# Altium PCB SysUprTestUUUp.PcbDoc (part 2 of 4)
Units mm, origin at the board's own origin, x right, y up, seen from the top; angles counter-clockwise.
Board outline 140.1 x 94.7 mm, 4 copper layers (Top Layer, Mid-Layer 1, Mid-Layer 2, Bottom Layer), stack 1.572 mm thick; 296 components, 295 nets, 1339 pads, 437 vias.
Unrouted connection lines stored in the file: 160.
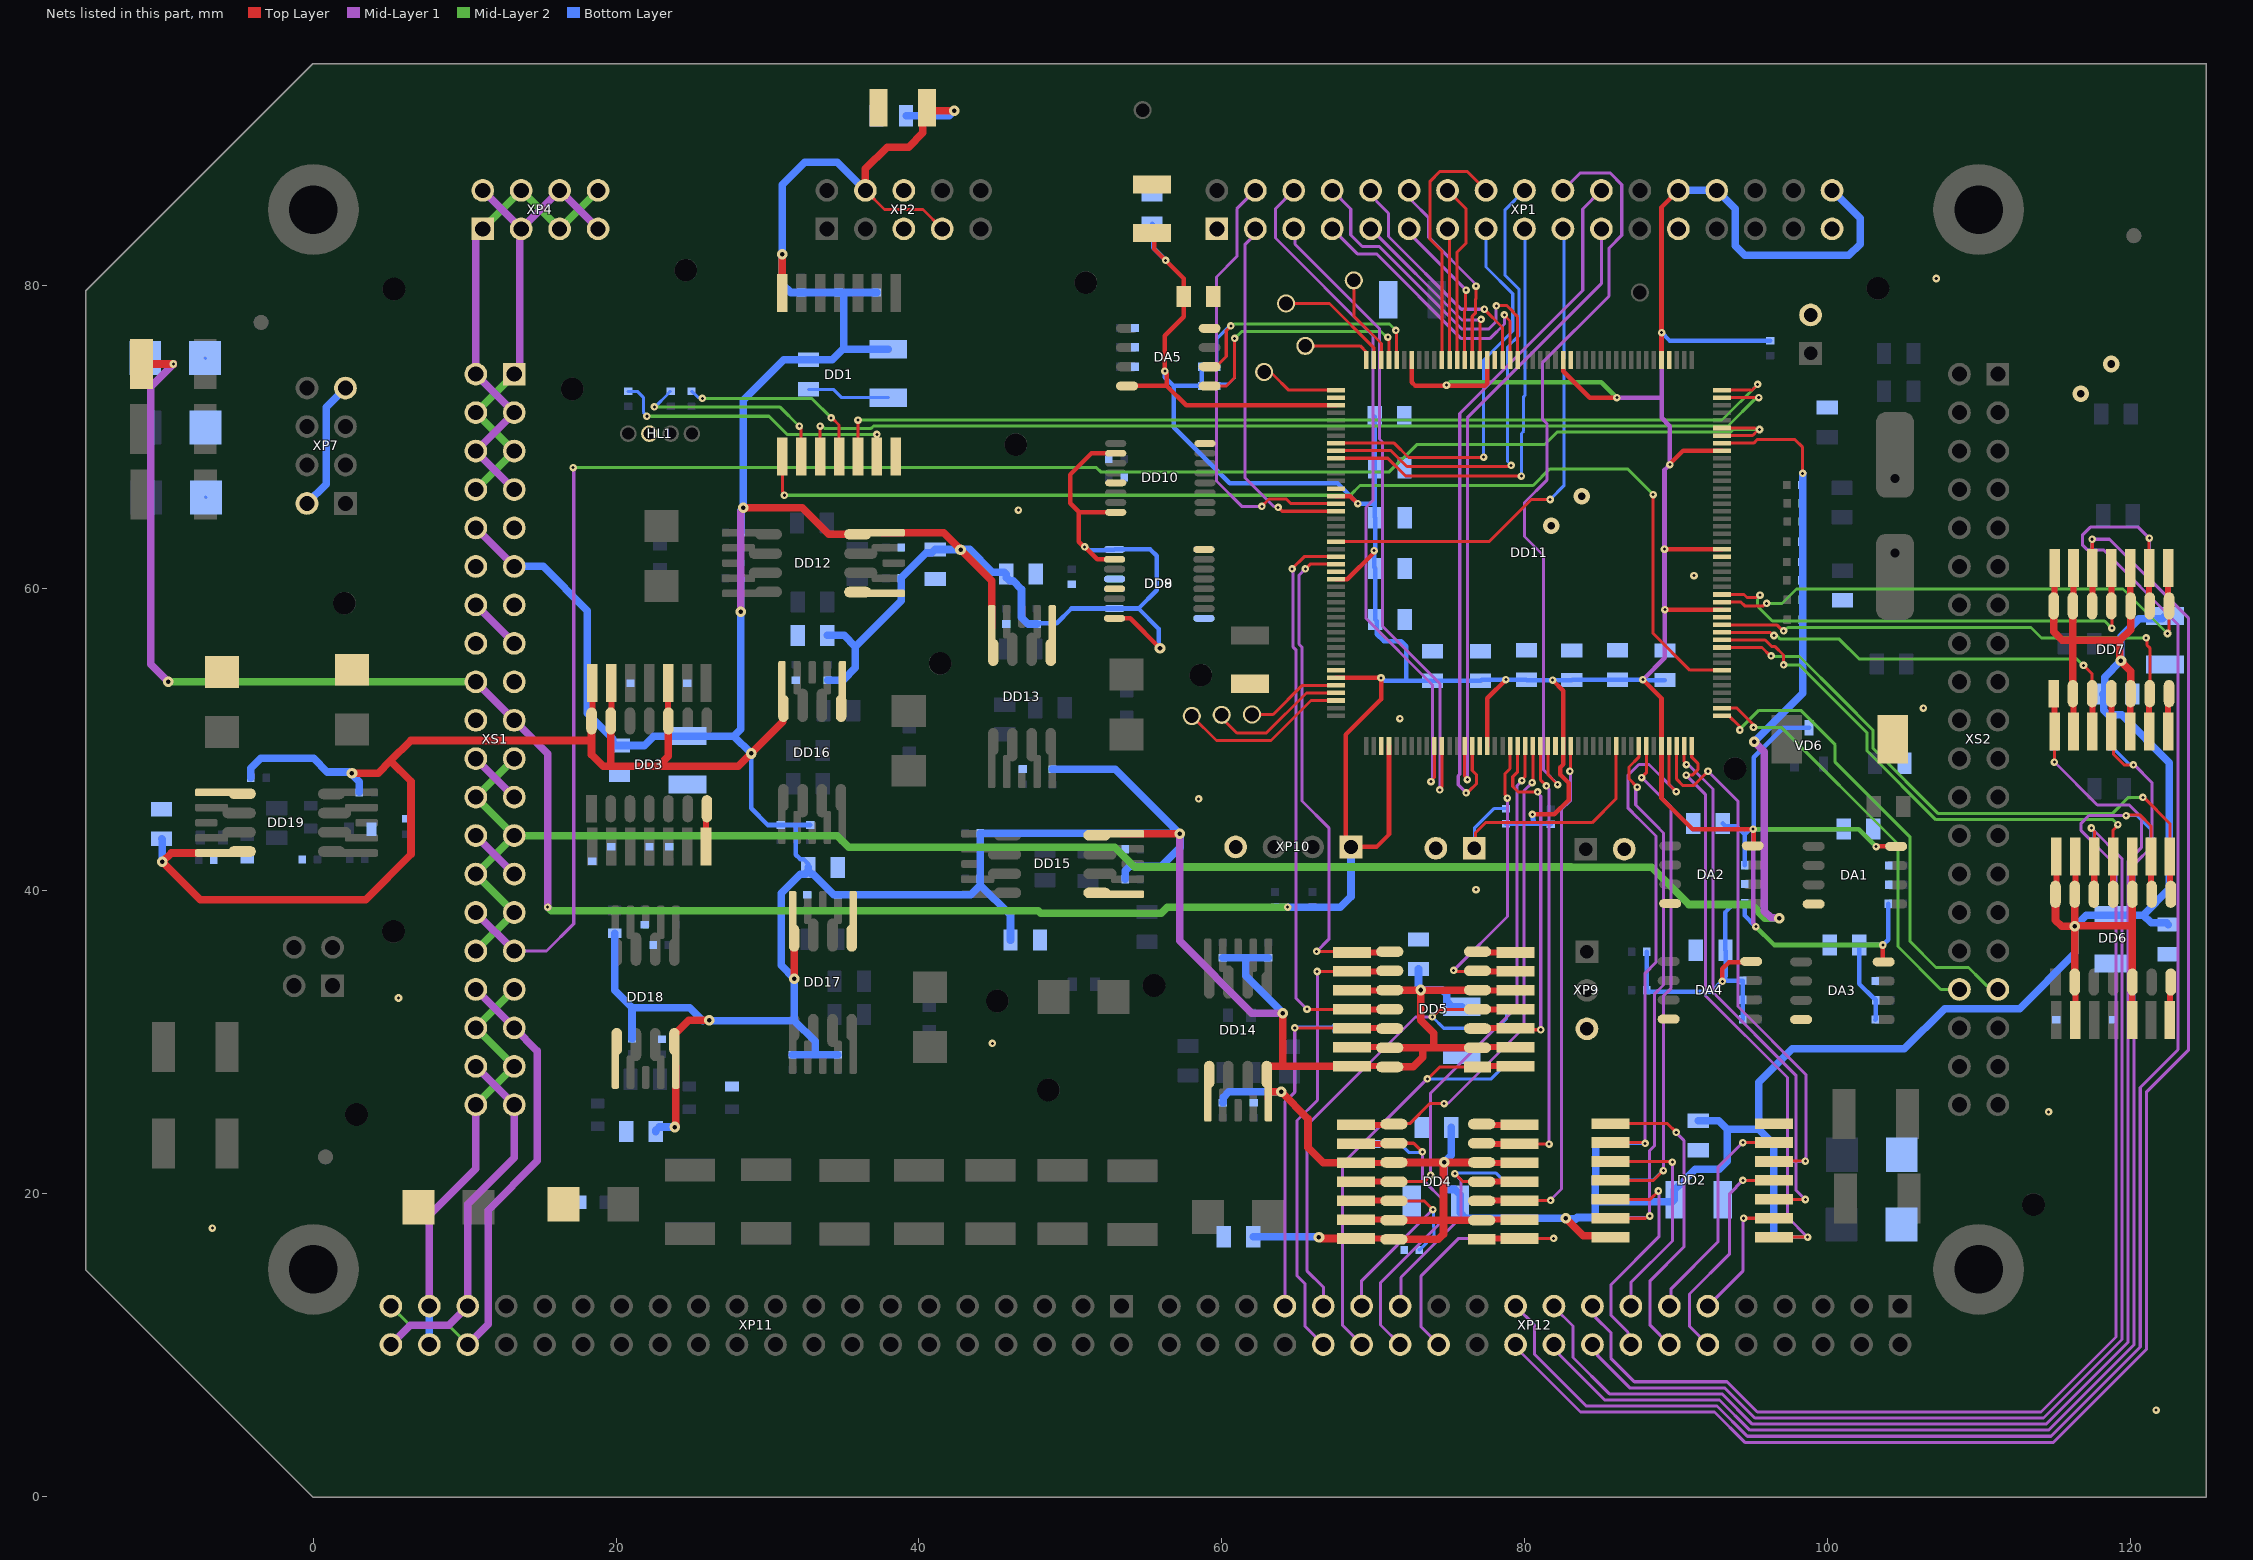
[diagram p4: the nets of this part, all layers, seen from the top]

## Via types
v1: diameter 0.5, hole 0.2, Top Layer to Bottom Layer, tented both sides, 406 vias
v2: diameter 0.7, hole 0.3, Top Layer to Bottom Layer, tented both sides, 27 vias
v3: diameter 1.1, hole 0.5, Top Layer to Bottom Layer, tented both sides, 4 vias

## Nets (pads, with @x,y where several pads share a name; then routed paths per layer and width w, separated by ;. In a path a pad name is that pad's centre, name@x,y a point inside that pad or via, vN(x,y) a via of type N, cw(c..) or ccw(c..) an arc to the next point about the centre after c; other vN are vias at no path point)
+3.3V_A: DD11.38 DD11.39 XS1.30 XS1.31 | length 123.2
  Top Layer w0.2: DD11.38@93.05,70.075 95.071,70.075 v1@95.398,70.402 ; DD11.39@93.05,70.575 95.225,70.575 v1@95.398,70.402 ; v1@95.425,70.375 v1@95.398,70.402 ; v1(95.525,70.475) 95.471,70.475 v1@95.398,70.402
  Mid-Layer 1 w0.2: XS1.31@13.27,36.03 15.405,36.03 17.2,37.825 17.2,67.925 v1(17.163,67.962)
  Mid-Layer 1 w0.5: XS1.30@10.73,38.57 XS1.31@13.27,36.03
  Mid-Layer 2 w0.2: v1(17.163,67.962) 17.175,67.95 51.728,67.95 52.003,67.675 71.075,67.675 72.875,69.475 81.325,69.475 82.15,70.3 93.612,70.3 93.787,70.475 v1(95.525,70.475)
+3.3V_D: C1.2 C2.2 C4.2 C6.1 C7.2 C8.2 C15.2 C30.2 C31.2 C32.2 C39.2 C42.2 C43.2 C48.2 C55.2 C56.2 C57.2 C58.2 DA1.8 DA2.8 DA3.8 DA4.8 DA5.8 DD11.15 DD11.23 DD11.36 DD11.49 DD11.62 DD11.72 DD11.82 DD11.91 DD11.103 DD11.114 DD11.127 DD11.136 DD11.149 DD11.159 DD11.172 FU3.1 R2.2 R3.2 R4.2 R23.2 R24.2 R25.2 R26.2 R27.2 R28.1 R29.1 R49.2 R50.1 R79.1 R143.2 R144.2 R145.2 R146.2 VD5.KA1 VD6.A XP1.26 XP1.28 XP1.34 XP10.1 XS1.18 XS1.19 | length 456.2
  Top Layer w0.3: DA5.8@53.75,73.35 56.375,73.35 ; C4.2@55.4,83.45 55.557,83.293 55.557,82.393 57.5,80.45 C15.2@57.5,79.259 57.5,77.925 56.25,76.675 56.25,74.271 56.375,74.146 56.375,73.35 ; DD11.127@67.55,54.075 v1(70.525,54.075) 70.525,52.65 68.2,50.325 68.2,43.24 XP10.1@68.54,42.9 70.225,42.9 71.05,43.725 DD11.136@71.05,49.575 ; DD11.114@67.55,60.575 68.295,60.575 70.037,62.317 70.037,62.437 v1(70.075,62.475) ; DD11.103@67.55,66.075 68.5,66.075 v1(69,65.575) ; DD11.91@67.55,72.075 57.65,72.075 56.375,73.35 ; DD11.82@72.55,75.075 72.55,73.6 72.8,73.35 v1@74.825,73.35 ; v1(74.85,73.4) 74.85,73.375 v1@74.825,73.35 ; DD11.149@77.55,49.575 77.55,52.725 v1(78.775,53.95) ; DD11.72@77.55,75.075 77.55,73.526 77.374,73.35 v1@74.825,73.35 ; v1(80.525,45.05) 81.975,45.05 82.925,46 82.925,47.125 82.375,47.675 82.375,48.175 82.55,48.35 82.55,53.229 v1(81.854,53.925) ; DD11.62@82.55,75.075 82.55,74.33 84.305,72.575 v1(86.1,72.575) ; v1(87.825,53.95) 89.05,52.725 DD11.172@89.05,49.575 89.05,46.125 91.102,44.073 95.175,44.073 95.156,44.053 95.156,43.058 DA2.8@95.075,42.977 ; DD11.49@89.05,75.075 89.05,76.866 v1(89.059,76.875) ; v1@89.05,76.875 89.05,85.16 XP1.26@90.16,86.27 ; v1(89.25,62.575) DD11.23@93.05,62.575 ; v1(89.275,58.575) DD11.15@93.05,58.575 ; v1(89.6,68.15) 89.6,68.2 90.475,69.075 DD11.36@93.05,69.075 ; v1(93.075,34.025) 93.075,34.85 93.506,35.281 94.913,35.281 DA4.8@94.971,35.339 ; v1(103.225,42.925) 103.237,42.937 DA1.8@104.55,42.937 ; v1(103.675,36.425) 103.675,35.359 DA3.8@103.725,35.309
  Top Layer w0.5: FU3.1@-11.35,74.8 v1(-9.25,74.8)
  Mid-Layer 1 w0.3: v1(86.1,72.575) 89.009,72.575 89.059,72.625 ; v1(87.825,53.95) 89.275,55.4 v1(89.275,58.575) 89.25,58.6 v1(89.25,62.575) 89.25,67.8 v1(89.6,68.15) 89.6,70.7 89.059,71.241 89.059,72.625 ; v1(89.059,76.875) 89.059,72.625 ; v1(95.1,44.073) 95.1,37.878 95.287,37.691 v1(95.287,37.637)
  Mid-Layer 1 w0.5: v2(-9.59,53.815) -10.75,54.975 -10.75,73.3 v1(-9.25,74.8) ; XS1.18@10.73,53.81 XS1.19@13.27,51.27 15.475,49.065 v1(15.475,38.925)
  Mid-Layer 2 w0.3: v2@-9.59,53.81 v2(-9.59,53.815) ; v1(74.85,73.4) 74.904,73.4 75.109,73.605 85.07,73.605 v1(86.1,72.575) ; v1(95.1,44.073) 102.077,44.073 v1(103.225,42.925) ; v1(95.287,37.637) 96.499,36.425 v1(103.675,36.425)
  Mid-Layer 2 w0.5: v2@-9.59,53.81 XS1.18@10.73,53.81 ; v1(15.475,38.925) 15.7,38.7 47.869,38.7 48.044,38.525 56.001,38.525 56.401,38.925 v1(64.35,38.925)
  Bottom Layer w0.3: C6.1@55.4,84.075 55.475,84 55.475,82.475 v1(56.3,81.65) ; v1(56.25,74.325) 56.25,73.929 56.829,73.35 ; R29.1@58.675,74.625 R28.1@58.675,73.35 56.829,73.35 ; v1(70.075,62.475) 70.075,61.375 C55.2@70.15,61.3 C48.2@70.15,57.925 70.249,57.826 70.249,56.951 70.7,56.5 71.85,56.5 72.2,56.15 72.2,53.875 ; C58.2@70.1,71.325 70.1,67.95 C57.2@70.125,67.925 70.125,65.575 ; v1@70.15,62.475 C56.2@70.15,64.65 70.125,64.675 70.125,65.575 ; v1(70.525,54.075) 70.579,54.075 70.779,53.875 72.2,53.875 ; R49.2@78.775,44.425 80.65,44.425 ; v1(80.525,45.05) 80.563,45.012 80.563,44.687 80.6,44.65 80.6,44.475 80.65,44.425 ; R79.1@81.725,44.4 81.7,44.4 81.675,44.425 80.65,44.425 ; R145.2@88.075,35.97 88.075,33.45 R143.2@88.075,33.425 88.15,33.35 92.4,33.35 v1(93.075,34.025) 93.079,34.025 93.254,34.2 93.379,34.075 R24.2@94.425,34.075 R27.2@94.425,32.8 R25.2@94.425,31.525 ; v1(89.059,76.875) 89.584,76.35 R50.1@96.225,76.35 ; C30.2@89.275,53.925 87.85,53.925 v1(87.825,53.95) 83.15,53.95 C32.2@83.125,53.925 80.15,53.925 C39.2@80.125,53.95 v1(78.775,53.95) 77.175,53.95 C42.2@77.1,53.875 C43.2@73.925,53.875 72.2,53.875 ; C2.2@93.1,44.45 93.274,44.276 93.999,44.276 94.55,43.725 ; 93.2,34.254 93.3,34.354 93.3,36.05 C8.2@93.275,36.075 93.275,38.6 93.85,39.175 R4.2@94.55,39.175 94.55,38.374 v1(95.287,37.637) ; R3.2@94.55,41.7 94.55,43.725 ; v1(95.1,44.073) 95.062,44.034 94.859,44.034 94.55,43.725 ; VD6.A@98.8,50.775 97.1,50.775 95.156,48.831 95.156,44.073 95.159,44.076 C1.2@101.1,44.076 ; R23.2@103.175,31.5 103.2,31.525 R26.2@103.2,32.775 103.2,32.8 103.1,32.9 103.075,32.9 102.125,33.85 C7.2@102.125,36.426 v1@103.674,36.426 ; v1(103.675,36.425) 104.025,36.775 R2.2@104.025,39.15 ; 56.829,73.35 56.829,70.621 60.525,66.925 67.65,66.925 v1(69,65.575) 70.125,65.575
  Bottom Layer w0.5: VD5.KA1@-11.1,75.204 -10.696,74.8 v1(-9.25,74.8) ; R144.2@63.525,38.925 v1(64.35,38.925) 67.84,38.925 68.54,39.625 XP10.1@68.54,42.9 ; XP1.26@90.16,86.27 XP1.28@92.7,86.27 93.925,85.045 93.925,82.6 94.55,81.975 101.425,81.975 102.175,82.725 102.175,84.415 XP1.34@100.32,86.27
+5V_A: XS1.22 XS1.23 | length 3.6
  Mid-Layer 1 w0.5: XS1.22@10.73,48.73 XS1.23@13.27,46.19
+5V_D: C3.2 C5.1 C9.2 C10.1 C11.2 C12.1 C13.2 C14.1 C16.2 C17.1 C18.2 C19.1 C20.2 C21.1 C22.2 C23.1 C33.1 C34.1 C35.1 C36.1 C37.1 C38.1 C40.2 C41.2 DD1.14 DD2.14 DD3.10 DD3.13 DD3.14 DD4.2 DD4.5 DD4.10 DD4.13 DD4.14 DD5.2 DD5.5 DD5.10 DD5.13 DD5.14 DD6.2 DD6.5 DD6.10 DD6.13 DD6.14 DD7.2 DD7.5 DD7.10 DD7.13 DD7.14 DD8.10 DD8.16 DD9.10 DD9.16 DD10.10 DD10.16 DD12.8 DD13.8 DD14.8 DD15.8 DD16.8 DD17.8 DD18.8 DD19.8 R9.2 R10.2 R11.2 R12.2 R13.2 R14.2 R15.2 R16.2 R17.2 R80.1 R81.1 R82.1 R84.1 R85.1 R86.1 R87.1 R88.1 R89.1 R90.1 R91.1 R101.1 R102.2 R105.1 R106.1 R107.1 R108.1 R109.1 R110.1 R141.1 R142.1 XP2.4 XP2.7 XS1.10 XS1.11 | length 629.8
  Top Layer w0.2: XP2.4@36.46,86.27 37.73,85 40.27,85 XP2.7@41.54,83.73
  Top Layer w0.3: 50.6,65 50,65.6 50,67.5 51.4,68.9 DD10.10@53,68.9 ; DD9.16@52.925,58 53.95,58 v2(55.925,56.025) ; DD9.10@52.925,61.9 51.775,61.9 v1(50.95,62.725) 50.896,62.725 50.55,63.071 50.55,65 DD10.16@53,65
  Top Layer w0.5: DD19.8@-6.325,42.5 -9.4,42.5 v2(-9.975,41.925) -7.475,39.425 3.45,39.425 6.45,42.425 6.45,47.225 5.088,48.588 ; v2(2.55,47.775) 4.275,47.775 5.088,48.588 ; DD3.14@18.375,51.225 18.375,49.93 ; DD3.13@19.645,51.225 19.645,48.38 19.8,48.225 ; DD3.10@23.455,51.225 23.455,48.88 22.8,48.225 ; DD18.8@23.85,30.05 23.85,30.546 24.004,30.7 24.04,30.7 24.79,31.45 v2(26.15,31.45) ; v2(23.875,24.4) 23.95,24.475 DD18.8@23.95,28.425 ; v2(28.4,65.3) 32.3,65.3 34.05,63.55 DD12.8@35.959,63.55 ; DD1.14@30.975,79.5 v2(30.975,82.05) ; DD16.8@31.05,52.059 31.012,52.02 31.012,51.162 v2(28.925,49.075) 28.075,48.225 22.8,48.225 ; DD17.8@31.754,36.879 31.754,34.221 v2(31.775,34.2) ; XP2.4@36.46,86.27 36.46,87.685 37.9,89.125 39.315,89.125 40.265,90.075 40.265,91.465 C3.2@40.525,91.725 40.725,91.525 v2(42.325,91.525) ; DD12.8@37.584,63.65 41.625,63.65 v2(42.75,62.525) 44.805,60.47 DD13.8@44.805,57.379 ; DD15.8@53.384,43.775 v2(57.225,43.775) ; DD14.8@62.984,27.879 62.984,28.335 63.076,28.428 64,28.428 ; DD14.8@63.084,26.254 63.084,26.725 v2(63.925,26.725) 65.7,24.95 65.7,23.05 66.712,22.038 DD4.10@68.873,22.038 ; v2(64.025,31.925) 64.025,28.453 64,28.428 ; v2(66.425,17.125) 66.479,17.125 66.566,17.038 DD4.14@68.873,17.038 ; DD5.14@68.6,28.428 64,28.428 ; DD5.13@71.04,29.678 71.08,29.638 DD5.13@71.1,29.638 73.25,29.638 ; DD5.14@71.1,28.368 72.638,28.368 73.275,29.005 73.275,29.613 73.25,29.638 ; DD5.10@71.1,33.448 v2@73.15,33.448 ; DD4.13@71.313,18.288 71.353,18.248 DD4.13@71.373,18.248 74.65,18.248 ; DD4.14@71.373,16.978 74.303,16.978 74.65,17.325 74.65,18.248 ; DD4.10@71.373,22.058 v2@74.683,22.058 ; DD5.2@76.9,29.638 74,29.638 ; DD5.5@76.96,33.428 76.94,33.448 DD5.5@76.9,33.448 v2@73.15,33.448 ; DD4.2@77.173,18.248 74.65,18.248 ; DD4.5@77.173,22.058 74.717,22.058 v2(74.7,22.075) v2@74.683,22.058 ; v2(82.725,18.375) 83.875,17.225 85.575,17.225 DD2.14@85.675,17.125 ; DD7.14@114.955,58.825 114.955,57.12 115.525,56.55 116.225,56.55 ; DD6.14@115.075,39.775 115.075,38.075 115.5,37.65 v2(116.345,37.65) ; DD7.13@116.225,58.825 116.225,56.55 ; DD7.2@116.265,52.965 116.225,53.005 DD7.2@116.225,53.025 116.225,56.55 ; DD6.2@116.345,33.975 v2(116.345,37.65) ; DD6.13@116.345,39.775 v2(116.345,37.65) ; v2@119.325,55.225 119.325,56.55 ; v2@119.375,55.175 120.035,54.515 DD7.5@120.035,53.025 ; DD7.10@120.035,58.825 120.035,57.26 119.325,56.55 ; DD6.5@120.135,33.915 120.155,33.935 DD6.5@120.155,33.975 120.155,37.7 ; DD6.10@120.155,39.775 120.155,37.7 ; 5.088,48.588 6.43,49.93 18.375,49.93 ; 18.375,49.93 18.375,49 19.15,48.225 19.8,48.225 ; 19.8,48.225 22.8,48.225 ; v2@73.15,33.448 73.15,31.45 74,30.6 74,29.638 ; 73.25,29.638 74,29.638 ; 74.65,18.248 74.65,21.884 74.662,21.895 74.662,22.037 v2@74.683,22.058 ; 116.225,56.55 119.325,56.55 ; v2(116.345,37.65) 116.395,37.7 120.155,37.7
  Mid-Layer 1 w0.5: XS1.10@10.73,63.97 XS1.11@13.27,61.43 ; v2(28.225,58.425) 28.225,65.071 28.4,65.246 v2(28.4,65.3) ; v2(57.225,43.775) 57.225,36.7 62,31.925 v2(64.025,31.925)
  Bottom Layer w0.2: 31.875,44.35 R89.1@32.825,44.35 ; R9.2@37.2,79.525 37.225,79.5 R9.2@37.25,79.5
  Bottom Layer w0.3: v2(28.925,49.075) 28.925,45.45 30.025,44.35 R88.1@30.875,44.35 R89.1@32.825,44.35 ; 31.875,44.35 31.875,42.375 32.15,42.1 32.375,42.1 32.7,41.775 C38.1@32.7,41.55 ; R106.1@47.775,57.625 47.825,57.675 49.1,57.675 50.075,58.65 DD8.10@52.925,58.65 54.5,58.65 ; v1(50.95,62.725) 51.001,62.725 51.226,62.5 52.294,62.5 52.315,62.521 52.896,62.521 DD8.16@52.925,62.55 55.275,62.55 55.7,62.125 55.7,59.85 54.5,58.65 ; v2(55.925,56.025) 55.848,56.102 55.848,57.302 54.5,58.65
  Bottom Layer w0.5: C41.2@-10.025,43.45 -9.975,43.4 v2(-9.975,41.925) ; R142.1@-4.125,47.475 -4.125,48.1 -3.475,48.75 0.025,48.75 0.925,47.85 v2@2.375,47.85 ; v2@2.5,47.725 3.025,47.2 R102.2@3.025,46.5 ; XS1.11@13.27,61.43 15.17,61.43 18.1,58.5 18.1,51.725 19.775,50.05 19.775,49.825 20,49.6 C14.1@20.225,49.6 21.85,49.6 22.475,50.225 C13.2@24.725,50.225 27.775,50.225 ; R101.1@19.9,37.2 19.9,33.425 21.05,32.275 ; R141.1@21.05,30.225 21.05,32.275 ; C40.2@22.625,24.1 22.625,24.175 22.85,24.4 v2(23.875,24.4) ; 25.725,31.425 24.875,32.275 21.05,32.275 ; v2@26.15,31.425 31.775,31.425 ; R81.1@28.225,60.65 v2(28.225,58.425) 28.225,50.675 27.775,50.225 ; R80.1@28.25,63.675 28.25,65.096 28.4,65.246 v2(28.4,65.3) 28.4,72.4 31.075,75.075 C10.1@32.7,75.075 34.275,75.075 34.975,75.775 ; v2(28.925,49.075) 27.775,50.225 ; R90.1@31.65,29.175 33.15,29.175 ; C38.1@32.7,41.55 C38.1@32.7,41.325 ; C37.1@33.95,56.871 35.054,56.871 35.8,56.125 ; R109.1@33.975,53.925 35,53.925 35.8,54.725 35.8,56.125 ; R91.1@34.65,29.175 33.15,29.175 ; XP2.4@36.46,86.27 34.605,88.125 32.45,88.125 30.975,86.65 v2(30.975,82.05) 30.975,80.075 31.525,79.525 R11.2@32.225,79.525 R10.2@34.7,79.525 35.025,79.525 ; R9.2@37.225,79.525 37.2,79.525 35.025,79.525 ; C9.2@37.975,75.775 34.975,75.775 ; C5.1@39.15,91.2 42,91.2 v2(42.325,91.525) ; C36.1@46.05,36.75 46.05,38.375 44.05,40.375 ; R106.1@47.775,57.625 47.225,57.625 46.775,58.075 46.775,59.925 46.225,60.475 46,60.475 45.775,60.7 C34.1@45.775,60.925 45.643,61.057 44.843,61.057 43.35,62.55 C33.1@41.075,62.55 40.85,62.325 40.475,62.325 38.825,60.675 R105.1@38.825,60.65 38.825,59.15 35.8,56.125 ; R82.1@48.825,48.025 52.975,48.025 v2@57.2,43.8 ; R108.1@53.625,40.775 53.625,41.332 53.918,41.625 56,41.625 57.25,42.875 57.25,43.75 v2(57.225,43.775) v2@57.2,43.8 ; R107.1@60.075,26 60.1,26 60.1,26.35 60.475,26.725 v2(63.925,26.725) ; R85.1@60.075,35.575 61.575,35.575 ; C35.1@62.075,17.15 66.4,17.15 v2(66.425,17.125) ; R84.1@63.075,35.575 61.575,35.575 ; v2(64.025,31.925) 64.025,31.95 61.575,34.4 61.575,35.575 ; C19.1@73,34.838 73,33.6 v2(73.15,33.45) 74.561,33.45 74.854,33.157 74.854,32.7 75.204,32.35 C18.2@75.854,32.35 ; C17.1@75.175,24.375 75.175,22.55 v2(74.7,22.075) 74.7,20.568 74.993,20.275 75.4,20.275 75.75,19.925 75.75,18.725 76.1,18.375 82.779,18.375 82.829,18.325 83.379,18.325 83.479,18.425 R17.2@84.75,18.425 84.75,18.45 84.675,18.525 84.675,19.475 ; R15.2@84.7,23.45 84.7,20.95 84.675,20.925 R16.2@84.675,20.9 84.675,19.475 ; C12.1@91.475,24.825 92.825,24.825 93.4,24.25 ; R12.2@96.475,17.125 R13.2@96.475,19.625 R14.2@96.475,22.125 96.475,23.25 95.475,24.25 ; C22.2@122.3,58.15 122.118,57.968 120.593,57.968 119.4,56.775 v2(119.4,55.2) 118.316,54.116 118.316,53.111 C23.1@118.2,52.996 118.325,52.871 118.264,52.809 118.264,51.918 118.557,51.625 119.45,51.625 122.6,48.475 122.6,40.125 120.875,38.4 ; C21.1@122.525,37.775 122.42,37.88 121.395,37.88 120.875,38.4 ; 31.775,31.425 v2(31.775,34.2) 30.9,35.075 30.9,39.85 32.15,41.1 32.475,41.1 C38.1@32.7,41.325 ; 31.775,31.425 33.15,30.05 33.15,29.175 ; C38.1@32.7,41.325 32.925,41.1 33.025,41.1 34.375,39.75 43.425,39.75 44.05,40.375 ; 34.975,75.775 35.025,75.825 35.025,79.525 ; 44.05,40.375 R87.1@44.05,40.8 R86.1@44.05,43.8 v2@57.2,43.8 ; 84.675,19.475 89.775,19.475 C11.2@89.9,19.6 89.9,20.25 90.25,20.6 90.295,20.6 91.295,21.6 92.85,21.6 93.4,22.15 93.4,24.25 ; 93.4,24.25 95.475,24.25 ; 95.475,24.25 95.475,27.35 97.7,29.575 105.1,29.575 107.75,32.225 112.7,32.225 116.345,35.87 v2(116.345,37.65) 117.095,38.4 C20.2@118.9,38.4 120.875,38.4
+5V_PCB: XP11.36 XP11.39 XS1.34 XS1.35 | length 33.2
  Mid-Layer 1 w0.5: XP11.36@10.2,10.03 11.54,11.37 11.54,18.915 14.8,22.175 14.8,29.42 XS1.35@13.27,30.95 XS1.34@10.73,33.49
  Mid-Layer 2 w0.2: XP11.39@5.12,12.57 6.365,11.325 8.905,11.325 XP11.36@10.2,10.03
+48V_IN: XP4.1 XP4.4 XP4.5 XP4.8 XS1.2 XS1.3 XS1.6 XS1.7 | length 31.3
  Mid-Layer 1 w0.5: XP4.1@11.19,83.73 10.73,83.27 XS1.2@10.73,74.13 XS1.3@13.27,71.59 XS1.6@10.73,69.05 XS1.7@13.27,66.51
  Mid-Layer 2 w0.5: XP4.1@11.19,83.73 11.69,84.23 XP4.4@13.73,86.27 XP4.5@16.27,83.73 XP4.8@18.81,86.27
-5V_A: XS1.26 XS1.27 | length 3.6
  Mid-Layer 1 w0.5: XS1.26@10.73,43.65 XS1.27@13.27,41.11
-5V_D: XS1.14 XS1.15 | length 3.6
  Mid-Layer 1 w0.5: XS1.14@10.73,58.89 XS1.15@13.27,56.35
-5V_PCB: XP11.35 XP11.40 XS1.38 XS1.39 | length 24.3
  Mid-Layer 1 w0.5: XP11.40@5.12,10.03 6.39,11.3 8.93,11.3 XP11.35@10.2,12.57 10.2,19.3 13.27,22.37 XS1.39@13.27,25.87 XS1.38@10.73,28.41
ADDR1: DD2.1 DD11.176 R12.1 | length 39.9
  Top Layer w0.2: v1(90.687,47.638) 91.086,47.638 91.45,48.002 91.45,48.425 91.05,48.825 DD11.176@91.05,49.575 ; DD2.1@96.475,17.125 v1(98.7,17.125)
  Mid-Layer 1 w0.2: v1(90.687,47.638) 91.95,46.375 91.95,33.093 97.375,27.668 97.375,18.45 v1(98.7,17.125)
  Bottom Layer w0.2: R12.1@97.475,17.125 v1(98.7,17.125)
ADDR1_PCB: DD2.2 XP12.11 | length 8.8
  Top Layer w0.2: v1(94.475,18.375) DD2.2@96.475,18.375
  Mid-Layer 1 w0.2: XP12.11@92.109,12.57 94.45,14.911 94.45,18.35 v1(94.475,18.375)
ADDR2: DD2.3 DD11.175 R13.1 | length 36.3
  Top Layer w0.2: v1@90.55,48.531 DD11.175@90.55,49.575 ; DD2.3@96.475,19.625 96.486,19.614 v1(98.55,19.614)
  Mid-Layer 1 w0.2: v1(90.688,48.338) 90.726,48.3 90.868,48.3 90.93,48.238 90.935,48.238 92.45,46.724 92.45,33.3 97.925,27.825 97.925,20.239 v1(98.55,19.614)
  Bottom Layer w0.2: R13.1@97.475,19.625 97.481,19.619 98.544,19.619 v1(98.55,19.614)
ADDR2_PCB: DD2.4 XP12.12 | length 14.9
  Top Layer w0.2: v1(94.425,20.875) DD2.4@96.475,20.875
  Mid-Layer 1 w0.2: XP12.12@92.109,10.03 90.9,11.239 90.9,13.375 93.55,16.025 93.55,20 v1(94.425,20.875)
ADDR3: DD2.5 DD11.174 R14.1 | length 36.5
  Top Layer w0.2: DD11.174@90.05,49.575 90.05,47.375 90.475,46.95 91.169,46.95 v1(92.121,47.901) ; DD2.5@96.475,22.125 96.5,22.15 v1(98.55,22.15)
  Mid-Layer 1 w0.2: v1(92.121,47.901) 94.1,45.922 94.1,32.357 98.6,27.857 98.6,22.2 v1(98.55,22.15)
  Bottom Layer w0.2: R14.1@97.475,22.125 97.488,22.137 98.538,22.137 v1(98.55,22.15)
ADDR3_PCB: DD2.6 XP12.13 | length 14.9
  Top Layer w0.2: v1(94.425,23.375) DD2.6@96.475,23.375